# Allegro board parallella_layout.brd (continued)
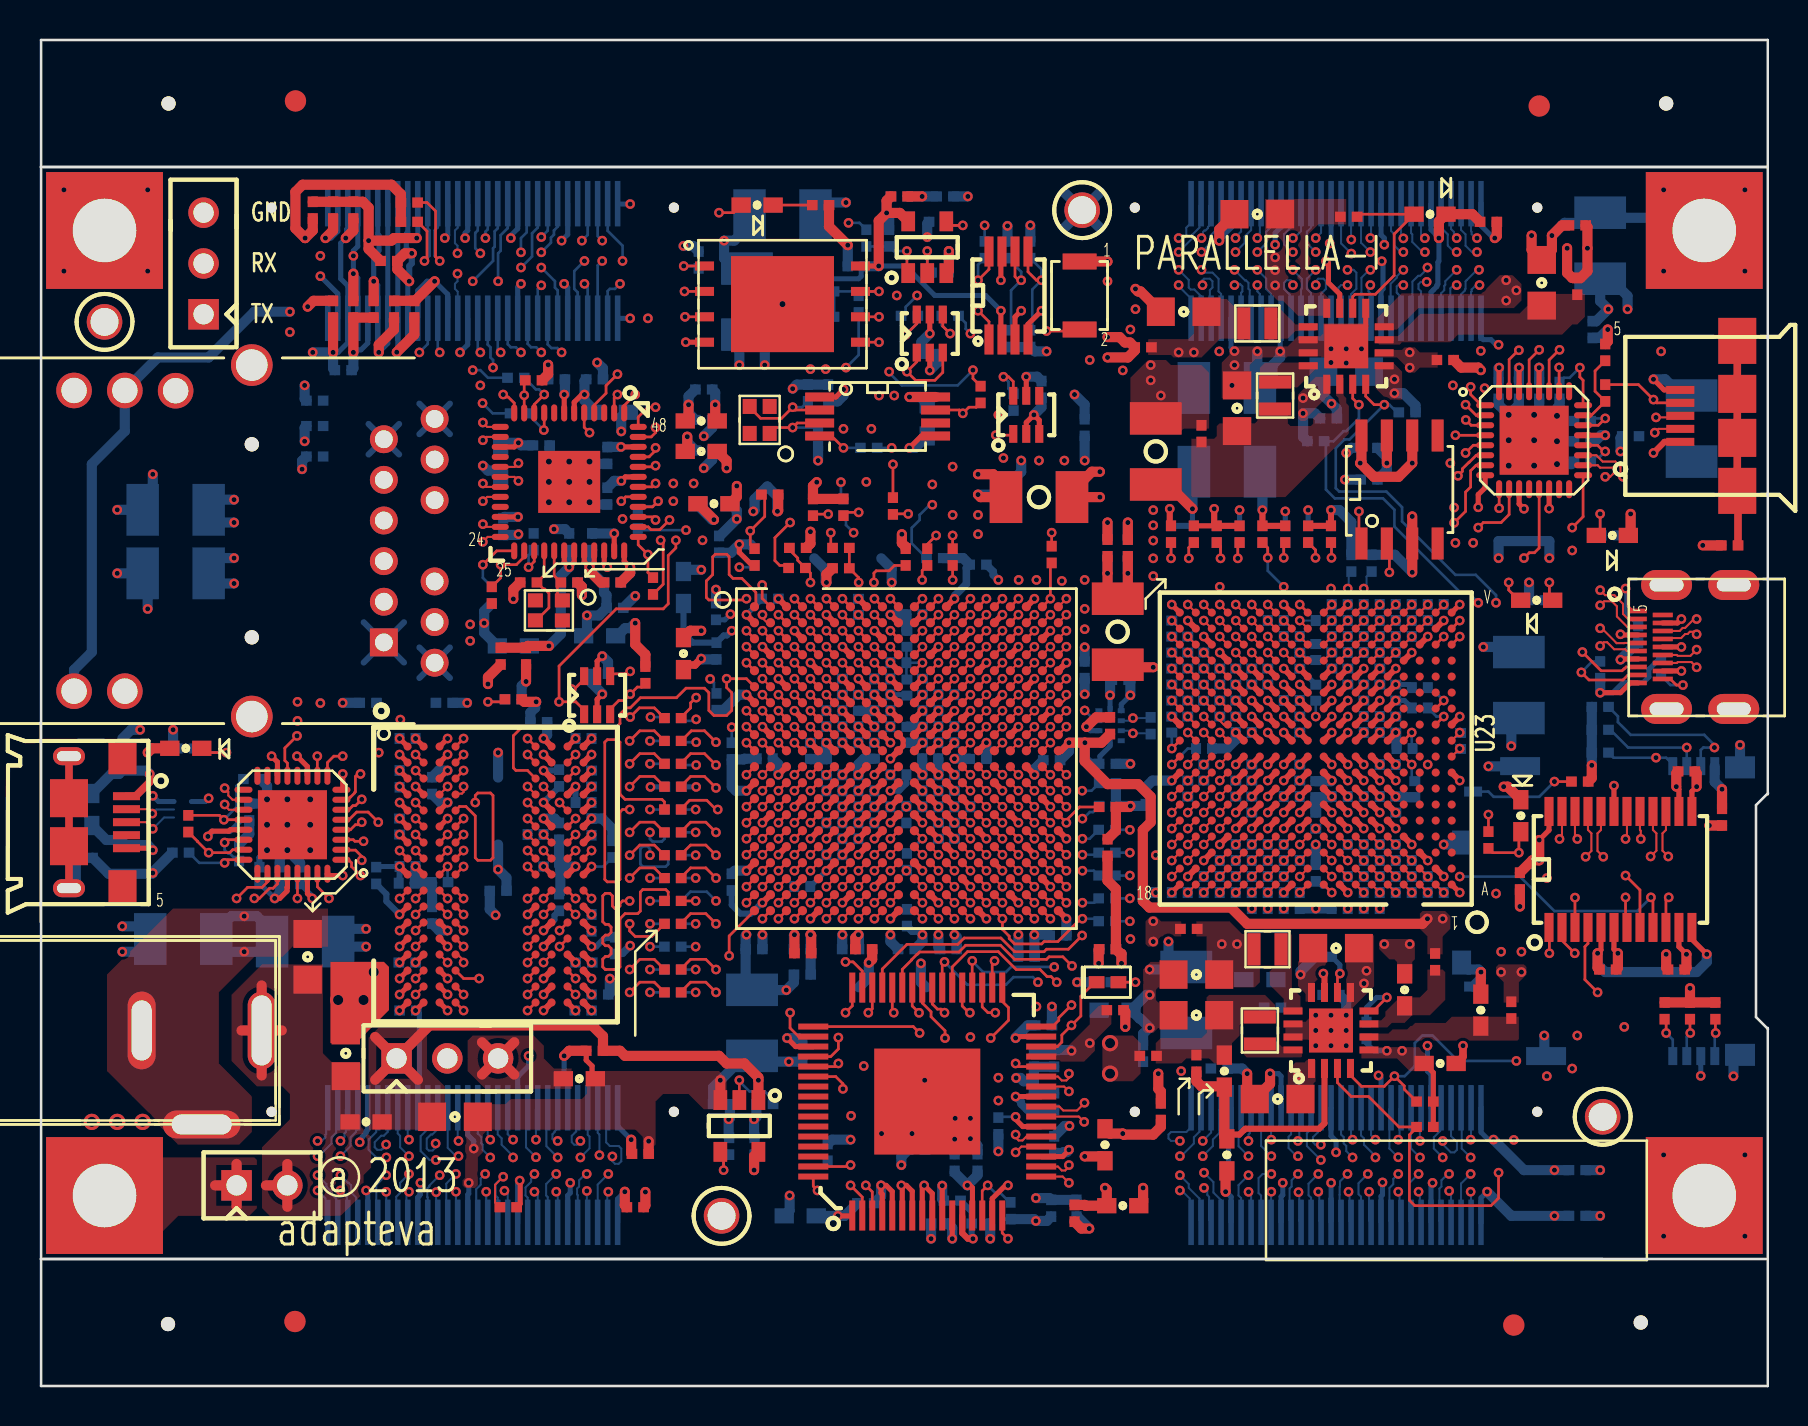
[diagram p0: board, top side]
## Routing (per net, layer and track width the routed paths; a pad name or vN(x,y) marks a point on that pad's centre or on a via; arc(x,y) is an arc through that point) (continued)
TXI_NO_WR_WAIT_N: length 22.6
  TOP w0.102: U23.C10 v1(63.01,26.28)
  L5_SIG w0.095: v1(64.06,12.07) 64.06,11.81 63.93,11.68 63.73,11.68 63.61,11.8 63.61,13.24 63.94,13.57 63.94,14.66 63.61,14.99 63.61,15.97 63.32,16.26 63.32,17.12 62.96,17.48 62.07,17.48 61.9,17.65 61.9,17.93 62.03,18.05 63.05,18.05 63.32,18.33 63.32,19.08 63.78,19.53 63.78,21.21 63.42,21.57 63.42,24.07 63.73,24.38 63.73,25.78 63.42,26.1 63.42,26.56 63.29,26.69 63.07,26.69 62.94,26.56 62.94,26.34 v1(63.01,26.28)
  BOTTOM w0.102: J8.34 64.07,12.96 63.92,12.8 63.92,12.69 63.67,12.44 63.67,12.19 63.79,12.07 v1(64.06,12.07)
TXI_NO_WR_WAIT_P: length 23.1
  TOP w0.102: U23.C11 v1(62.21,26.28)
  L5_SIG w0.095: v1(62.21,26.28) 62.6,25.89 63.19,25.89 63.43,25.65 63.43,24.51 63.11,24.2 63.11,21.45 63.48,21.08 63.48,19.66 63.02,19.2 63.02,18.45 62.92,18.36 61.9,18.36 61.6,18.05 61.6,17.53 61.95,17.18 62.84,17.18 63.02,16.99 63.02,16.13 63.31,15.84 63.31,14.86 63.64,14.53 63.64,13.7 63.31,13.37 63.31,11.67 63.68,11.3 v1(64.06,11.3)
  BOTTOM w0.102: J8.36 63.57,12.85 63.36,12.64 63.36,12 v1(64.06,11.3)
TXI_SO_RD_WAIT_N: length 24
  TOP w0.102: U23.U12 v1(61.41,38.28)
  L3_SIG w0.095: v1(62.66,57.4) 62.22,56.96 62.22,56.44 62.41,56.25 62.93,56.25 63.06,56.12 63.06,54.1 62.42,53.46 62.42,52.67 62.64,52.45 62.64,50.16 62.3,49.82 62.3,47.43 62.57,47.15 62.62,47.15 62.71,47.06 62.71,46.68 62.62,46.58 62.57,46.58 62.3,46.31 62.3,44.62 62.67,44.24 62.67,43.04 62.14,42.5 62.14,41.96 61.8,41.62 61.8,38.67 v1(61.41,38.28)
  BOTTOM w0.102: J9.38 63.07,57.75 62.73,57.4 v1(62.66,57.4)
TXI_SO_RD_WAIT_P: length 24.2
  TOP w0.102: U23.U11 62.61,37.9 62.23,38.28 v1(62.21,38.28)
  L3_SIG w0.095: v1(62.21,38.28) 62.21,38.4 62.6,38.8 62.6,41.68 62.45,41.83 62.45,42.38 62.98,42.91 62.98,44.36 62.6,44.74 62.6,46.18 62.7,46.28 62.75,46.28 63.02,46.55 63.02,47.18 62.75,47.46 62.7,47.46 62.6,47.55 62.6,49.7 62.94,50.04 62.94,52.58 62.72,52.8 62.72,53.34 63.36,53.98 63.36,56.77 63.24,56.9 62.79,56.9 62.66,56.77 v1(62.66,56.71)
  BOTTOM w0.102: v1(62.66,56.71) 62.6,56.71 62.22,57.09 62.22,57.59 62.54,57.91 62.54,59.09 J9.40
TXI_SO_WR_WAIT_N: length 25.4
  TOP w0.102: U23.T11 v1(62.21,37.48)
  L8_SIG w0.095: v1(62.21,37.48) 62.6,37.87 62.6,39.37 62.93,39.7 62.93,41.64 63.81,42.52 63.81,43.63 63.82,43.64 63.82,43.96 63.81,43.97 63.81,46.36 63.71,46.45 62.94,46.45 62.66,46.72 62.66,47.36 62.94,47.63 63.71,47.63 63.81,47.73 63.81,53.34 63.11,54.04 63.11,56.71 v1(63.81,57.4)
  BOTTOM w0.102: v1(63.81,57.4) 64.07,57.67 J9.34
TXI_SO_WR_WAIT_P: length 25.7
  TOP w0.102: U23.T10 v1(63.01,37.48)
  L8_SIG w0.095: v1(63.81,56.71) 63.62,56.71 63.41,56.5 63.41,54.16 64.11,53.47 64.11,47.6 63.84,47.33 63.06,47.33 62.97,47.23 62.97,46.85 63.06,46.76 63.84,46.76 64.11,46.48 64.11,44.1 64.12,44.09 64.12,43.51 64.11,43.5 64.11,42.39 63.24,41.52 63.24,39.56 63.43,39.37 63.43,37.6 63.3,37.48 v1(63.01,37.48)
  BOTTOM w0.102: v1(63.81,56.71) 63.36,57.15 63.36,57.72 63.57,57.93 J9.36
TXO_EA_DATA0_N: length 12.8
  TOP w0.102: U23.G15 v1(59.01,29.48) ; U2.J19 v1(50.54,32.97)
  L8_SIG w0.095: v1(59.01,29.48) 58.6,29.89 58.6,30.44 58.51,30.53 58.37,30.67 56.46,30.67 56.22,30.91 56.22,31.28 56.01,31.49 55.65,31.85 53.11,31.85 53.01,31.75 50.35,31.75 50.13,31.97 50.13,32.56 v1(50.54,32.97)
TXO_EA_DATA0_P: length 12.7
  TOP w0.102: U2.K19 v1(50.54,32.17) ; U23.H15 v1(59.01,30.28)
  L8_SIG w0.095: v1(59.01,30.28) 59.01,30.03 59.15,29.89 59.33,29.89 59.42,29.97 59.42,31.22 59.15,31.49 56.44,31.49 55.78,32.15 52.99,32.15 52.56,32.58 50.94,32.58 v1(50.54,32.17)
TXO_EA_DATA1_N: length 14.9
  TOP w0.102: U23.F16 v1(58.21,28.68) ; U2.L15 v1(47.34,30.57)
  L8_SIG w0.095: v1(58.21,28.68) 58.21,28.43 58.07,28.29 56.44,28.29 56.22,28.51 56.22,28.8 55.74,29.27 55.74,29.58 54.97,30.35 54.28,30.35 53.65,30.99 48.19,30.99 47.93,31.24 47.12,31.24 47.04,31.17 47.04,30.86 v1(47.34,30.57)
TXO_EA_DATA1_P: length 14.9
  TOP w0.102: U23.G16 v1(58.21,29.48) ; U2.L14 v1(46.54,30.57)
  L8_SIG w0.095: v1(46.54,30.57) 46.74,30.77 46.74,31.29 46.99,31.55 48.06,31.55 48.31,31.29 53.77,31.29 54.41,30.66 55.09,30.66 56.05,29.7 56.05,29.4 56.36,29.09 57.82,29.09 v1(58.21,29.48)
TXO_EA_DATA2_N: length 12
  TOP w0.102: U23.E17 v1(57.41,27.88) ; U2.L17 v1(48.94,30.57)
  L5_SIG w0.095: v1(48.94,30.57) 49.36,30.99 53.06,30.99 53.84,30.21 53.84,30.03 54.36,29.51 54.97,29.51 55.9,28.58 56.09,28.58 56.41,28.27 57.67,28.27 57.79,28.15 57.79,27.99 57.67,27.88 v1(57.41,27.88)
TXO_EA_DATA2_P: length 12
  TOP w0.102: U2.L16 v1(48.14,30.57) ; U23.F17 v1(57.41,28.68)
  L5_SIG w0.095: v1(57.41,28.68) 57.02,29.07 56.41,29.07 56.23,28.88 56.03,28.88 55.09,29.82 54.49,29.82 54.15,30.16 54.15,30.34 53.19,31.29 48.86,31.29 v1(48.14,30.57)
TXO_EA_DATA3_N: length 12.9
  TOP w0.102: U23.D18 v1(56.61,27.08) ; U2.M15 v1(47.34,29.77)
  L3_SIG w0.095: v1(56.61,27.08) 56.87,27.08 57,27.2 57,27.36 56.87,27.49 56.44,27.49 56.36,27.57 55.41,27.57 54.74,28.24 54.28,28.24 52.17,30.35 51.73,30.35 51.55,30.18 47.93,30.18 47.62,29.87 47.44,29.87 v1(47.34,29.77)
TXO_EA_DATA3_P: length 13.2
  TOP w0.102: U23.E18 v1(56.61,27.88) ; U2.M14 v1(46.54,29.77)
  L3_SIG w0.095: v1(46.54,29.77) 46.94,30.18 47.5,30.18 47.73,30.41 47.73,30.71 47.97,30.96 51.5,30.96 51.8,30.66 52.3,30.66 54.41,28.55 54.87,28.55 55.54,27.88 v1(56.61,27.88)
TXO_EA_DATA4_N: length 11.5
  TOP w0.102: U23.E15 v1(59.01,27.88) ; U2.L20 v1(51.34,30.57)
  L10_SIG w0.095: v1(59.01,27.88) 59.01,28.12 58.62,28.51 58.62,28.88 58.43,29.07 56.46,29.07 56.31,29.21 56.31,29.22 56.22,29.31 56.22,29.57 55.43,30.36 53.52,30.36 52.73,31.14 51.23,31.14 51.09,31 51.09,30.82 v1(51.34,30.57)
TXO_EA_DATA4_P: length 11.6
  TOP w0.102: U2.L19 v1(50.54,30.57) ; U23.F15 v1(59.01,28.68)
  L10_SIG w0.095: v1(59.01,28.68) 59.01,28.92 58.62,29.31 58.62,29.62 58.37,29.87 56.35,29.87 55.56,30.66 53.64,30.66 52.86,31.45 51.1,31.45 50.78,31.13 50.78,30.82 v1(50.54,30.57)
TXO_EA_DATA5_N: length 10.5
  TOP w0.102: U23.D16 v1(58.21,27.08) ; U2.M20 v1(51.34,29.77)
  L8_SIG w0.095: v1(58.21,27.08) 58.18,27.05 57.93,27.05 57.72,26.83 57.72,26.79 57.61,26.69 56.38,26.69 56.18,26.88 56.18,27.18 55.63,27.74 55.63,28.3 54.98,28.94 54.98,29.21 54.68,29.51 53.9,29.51 53.23,30.18 51.97,30.18 51.65,29.87 51.43,29.87 v1(51.34,29.77)
TXO_EA_DATA5_P: length 11
  TOP w0.102: U2.M19 v1(50.54,29.77) ; U23.E16 v1(58.21,27.88)
  L8_SIG w0.095: v1(50.54,29.77) 50.94,30.17 51.52,30.17 51.84,30.49 53.36,30.49 54.03,29.82 54.8,29.82 55.29,29.34 55.29,29.07 55.93,28.42 55.93,27.86 56.33,27.47 57.57,27.47 v1(58.21,27.88)
TXO_EA_DATA6_N: length 11.9
  TOP w0.102: U23.C17 v1(57.41,26.28) ; U2.M18 v1(49.74,29.77)
  L5_SIG w0.095: v1(49.74,29.77) 49.74,29.55 49.91,29.38 51.66,29.38 51.73,29.45 51.73,29.93 52.03,30.23 52.43,30.23 53.65,29.01 53.65,28.75 54.16,28.24 54.79,28.24 55.25,27.79 55.25,27.36 55.67,26.93 56.15,26.93 56.42,26.67 57.19,26.67 57.41,26.45 v1(57.41,26.28)
TXO_EA_DATA6_P: length 11.9
  TOP w0.102: U23.D17 v1(57.41,27.08) ; U2.M17 v1(48.94,29.77)
  L5_SIG w0.095: v1(57.41,27.08) 57.02,27.47 56.32,27.47 56.1,27.24 55.8,27.24 55.55,27.48 55.55,27.91 54.92,28.55 54.28,28.55 53.95,28.88 53.95,29.13 52.55,30.53 51.9,30.53 51.53,30.16 49.33,30.16 v1(48.94,29.77)
TXO_EA_DATA7_N: length 12.4
  TOP w0.102: U23.B18 v1(56.61,25.48) ; U2.N16 v1(48.14,28.97)
  L3_SIG w0.095: v1(56.61,25.48) 56.36,25.72 56.03,25.72 55.93,25.82 55.14,25.82 55.04,25.92 54.07,25.92 53.24,26.75 53.24,27.89 52.3,28.83 51.87,28.83 51.62,28.58 51.11,28.58 51.09,28.56 48.08,28.56 47.96,28.69 47.96,28.84 48.08,28.97 v1(48.14,28.97)
TXO_EA_DATA7_P: length 12.7
  TOP w0.102: U23.C18 v1(56.61,26.28) ; U2.N15 v1(47.34,28.97)
  L3_SIG w0.095: v1(47.34,28.97) 47.73,29.36 51.64,29.36 51.87,29.13 52.43,29.13 53.55,28.02 53.55,26.87 54.2,26.22 55.17,26.22 55.26,26.13 56.05,26.13 56.15,26.03 56.36,26.03 v1(56.61,26.28)
TXO_EA_FRAME_N: length 11.4
  TOP w0.102: U23.J15 v1(59.01,31.08) ; U2.H20 v1(51.34,33.77)
  L10_SIG w0.095: v1(59.01,31.08) 58.59,31.49 57.55,31.49 56.73,32.31 56.11,32.31 55.68,31.88 54.03,31.88 53.34,32.56 51.19,32.56 50.94,32.81 50.94,33.38 v1(51.34,33.77)
TXO_EA_FRAME_P: length 11.7
  TOP w0.102: U23.K15 v1(59.01,32.68) ; U2.J20 v1(51.34,32.97)
  L10_SIG w0.095: v1(51.34,32.97) 51.49,32.97 51.62,33.1 51.62,33.34 51.73,33.45 52.03,33.45 52.09,33.39 52.63,33.39 52.76,33.26 52.76,32.99 52.89,32.87 53.47,32.87 54.15,32.18 55.55,32.18 55.98,32.61 56.85,32.61 57.67,31.79 59,31.79 59.36,32.16 59.36,32.55 59.24,32.68 v1(59.01,32.68)
TXO_EA_LCLK_N: length 11.2
  TOP w0.102: U2.K18 v1(49.74,32.17) ; U23.F18 v1(56.61,28.68)
  L3_SIG w0.095: v1(56.61,28.68) 56.61,28.88 56.48,29.01 56.31,29.01 56.19,28.88 56.19,28.7 56.06,28.57 55.91,28.57 55.6,28.88 55.6,29.31 54.97,29.95 54.36,29.95 52.63,31.67 49.46,31.67 49.33,31.8 49.33,32.04 49.46,32.17 v1(49.74,32.17)
TXO_EA_LCLK_P: length 12.5
  TOP w0.102: U23.G18 v1(56.61,29.48) ; U2.K17 v1(48.94,32.17)
  L3_SIG w0.095: v1(48.94,32.17) 49.02,32.08 49.02,31.67 49.33,31.37 52.5,31.37 54.23,29.64 54.84,29.64 55.3,29.18 55.3,28.75 55.78,28.27 56.75,28.27 57,28.51 57,29.09 v1(56.61,29.48)
TXO_NO_DATA0_N: length 22.7
  TOP w0.102: U23.D11 v1(62.21,27.08)
  L8_SIG w0.095: v1(62.21,27.08) 62.62,26.67 62.62,23.57 62.28,23.24 62.28,22.73 61.65,22.1 61.65,20.85 62.31,20.19 62.31,18.92 61.65,18.26 61.65,16.84 62.28,16.2 62.28,14.61 62.03,14.35 61.57,14.35 61.44,14.22 61.44,13.72 62.44,12.72 62.44,10.43 62.55,10.32 62.55,10 62.26,9.72 v1(61.58,9.72)
  BOTTOM w0.102: J8.43 61.57,9.7 v1(61.58,9.72)
TXO_NO_DATA0_P: length 22.8
  TOP w0.102: U23.D12 v1(61.41,27.08)
  L8_SIG w0.095: v1(61.58,10.6) 62,10.6 62.13,10.73 62.13,12.6 61.14,13.59 61.14,14.35 61.44,14.66 61.9,14.66 61.98,14.73 61.98,16.08 61.34,16.71 61.34,18.39 62,19.05 62,20.07 61.34,20.73 61.34,22.22 61.98,22.86 61.98,23.17 61.81,23.33 61.81,26.67 v1(61.41,27.08)
  BOTTOM w0.102: v1(61.58,10.6) 61.15,10.6 60.95,10.4 60.95,9.65 61.07,9.52 J8.45
TXO_NO_DATA1_N: length 22.7
  TOP w0.102: U23.C12 v1(61.41,26.28)
  L8_SIG w0.095: v1(61.41,26.28) 61.41,26.54 61.28,26.67 61.14,26.67 61,26.53 61,24.91 61.01,24.89 61.01,23.67 60.71,23.37 60.71,21.77 60.3,21.36 58.98,21.36 58.85,21.23 58.85,19.66 58.98,19.53 60.35,19.53 60.66,19.23 60.66,18.69 60.35,18.39 59.82,18.39 59.69,18.26 59.69,17.66 59.94,17.41 59.94,14.93 60.26,14.6 60.26,13.47 61.14,12.6 61.14,12.09 61.29,11.94 61.46,11.94 61.58,12.07 v1(61.58,12.32)
  BOTTOM w0.102: v1(61.58,12.32) 61.57,12.33 J8.44
TXO_NO_DATA1_P: length 23.1
  TOP w0.102: U23.C13 v1(60.61,26.28)
  L8_SIG w0.095: v1(60.61,26.28) 60.22,25.89 60.22,23.68 60.4,23.5 60.4,21.89 60.17,21.67 58.85,21.67 58.55,21.36 58.55,19.53 58.85,19.23 60.23,19.23 60.35,19.1 60.35,18.82 60.23,18.69 59.69,18.69 59.39,18.39 59.39,17.53 59.63,17.29 59.63,14.8 59.96,14.48 59.96,13.35 60.84,12.47 60.84,11.96 61.17,11.63 61.24,11.63 61.38,11.49 v1(61.58,11.49)
  BOTTOM w0.102: v1(61.58,11.49) 61.07,12.01 J8.46
TXO_NO_DATA2_N: length 23.1
  TOP w0.102: U23.B13 v1(60.61,25.48)
  L5_SIG w0.095: v1(60.45,9.71) 61.19,10.46 61.19,12.65 60.89,12.95 59.62,12.95 59.46,13.11 59.46,15.8 59.62,15.95 59.87,15.95 60.17,16.26 60.17,18.74 59.87,19.05 59.24,19.05 58.65,19.63 58.65,20.83 58.9,21.08 60.38,21.08 60.78,21.48 60.78,23.37 61,23.59 61,25.09 v1(60.61,25.48)
  BOTTOM w0.102: v1(60.45,9.71) 60.57,9.58 J8.47
TXO_NO_DATA2_P: length 23.5
  TOP w0.102: U23.B14 v1(59.81,25.48)
  L5_SIG w0.095: v1(59.81,25.48) 59.81,25.46 60.2,25.07 60.2,23.64 60.47,23.37 60.47,21.61 60.25,21.39 58.78,21.39 58.35,20.95 58.35,19.51 59.11,18.75 59.74,18.75 59.87,18.62 59.87,16.38 59.74,16.26 59.49,16.26 59.16,15.93 59.16,12.98 59.49,12.65 60.76,12.65 60.89,12.52 60.89,10.82 60.53,10.46 60.41,10.46 60.41,10.51 60.44,10.54 v1(60.44,10.54)
  BOTTOM w0.102: J8.49 60.07,9.4 59.95,9.53 59.95,10.05 v1(60.44,10.54)
TXO_NO_DATA3_N: length 23.3
  TOP w0.102: U23.A14 v1(59.81,24.68)
  L3_SIG w0.095: v1(60.44,12.26) 60.44,12.07 60.31,11.94 60.12,11.94 60,12.07 60,13.06 59.72,13.34 58.75,13.34 58.65,13.43 58.65,13.81 58.75,13.91 59.72,13.91 60,14.18 60,14.99 59.92,15.06 59.92,16.64 60.63,17.35 60.63,18.16 60.33,18.47 58.73,18.47 58.6,18.59 58.6,20.22 58.7,20.32 59.09,20.32 59.09,20.32 59.49,20.32 59.74,20.57 59.74,21.21 59.45,21.5 58.7,21.5 58.6,21.6 58.6,22.3 59.31,23.01 59.31,24.43 59.4,24.51 59.4,25.05 59.49,25.15 59.56,25.15 59.81,24.9 v1(59.81,24.68)
  BOTTOM w0.102: v1(60.44,12.26) 60.44,12.57 60.51,12.64 60.51,13.85 J8.48
TXO_NO_DATA3_P: length 23.5
  TOP w0.102: U23.A15 v1(59.01,24.68)
  L3_SIG w0.095: v1(59.01,24.68) 59.01,23.14 58.3,22.43 58.3,21.47 58.57,21.2 59.33,21.2 59.44,21.08 59.44,20.7 59.36,20.62 58.77,20.62 58.57,20.62 58.3,20.35 58.3,18.47 58.6,18.16 60.2,18.16 60.33,18.03 60.33,17.47 59.62,16.76 59.62,14.94 59.69,14.86 59.69,14.31 59.6,14.21 58.62,14.21 58.35,13.94 58.35,13.31 58.62,13.03 59.6,13.03 59.69,12.94 59.69,11.87 60.07,11.49 v1(60.44,11.49)
  BOTTOM w0.102: J8.50 60.07,12.65 59.95,12.52 59.95,11.99 v1(60.44,11.49)
TXO_NO_DATA4_N: length 24.2
  TOP w0.102: U23.D13 v1(60.61,27.08)
  L8_SIG w0.095: v1(60.61,27.08) 60.2,26.67 58.83,26.67 58.6,26.44 58.6,26.11 58.35,25.87 58.04,25.87 57.8,25.62 57.8,24.51 57.48,24.2 57.48,22.5 57.14,22.16 57.14,21.72 57.08,21.66 57.08,18.67 56.25,17.84 56.25,16.7 56.69,16.27 56.69,13.57 57.71,12.55 57.71,10.46 57.84,10.34 58.09,10.34 58.22,10.46 v1(58.22,10.67)
  BOTTOM w0.102: v1(58.22,10.67) 58.69,10.2 58.69,9.68 59.07,9.29 J8.53
TXO_NO_DATA4_P: length 24
  TOP w0.102: U23.D14 v1(59.81,27.08)
  L8_SIG w0.095: v1(58.22,9.91) 58.09,10.03 57.71,10.03 57.41,10.34 57.41,12.42 56.38,13.45 56.38,16.14 55.94,16.58 55.94,17.97 56.77,18.8 56.77,21.78 56.83,21.84 56.83,22.39 57.18,22.73 57.18,24.26 57,24.44 57,25.62 57.26,25.89 57.57,25.89 57.82,26.13 57.82,26.44 58.04,26.67 58.37,26.67 58.62,26.91 58.62,27.24 58.84,27.47 59.17,27.47 59.56,27.08 v1(59.81,27.08)
  BOTTOM w0.102: v1(58.22,9.91) 58.38,9.74 58.38,9.55 58.47,9.46 58.47,8.28 J8.55
TXO_NO_DATA5_N: length 24.3
  TOP w0.102: U23.C14 v1(59.81,26.28)
  L8_SIG w0.095: v1(59.81,26.28) 59.81,26.05 59.42,25.66 59.42,22.91 58.98,22.48 58.47,22.48 57.89,21.9 57.89,17.79 57.62,17.51 57.15,17.51 57.05,17.42 57.05,17.04 57.15,16.94 58.77,16.94 59.11,16.6 59.11,15.75 58.85,15.49 58.02,15.49 57.89,15.37 57.89,15.04 58.02,14.91 58.93,14.91 59.24,14.61 59.24,14.1 58.98,13.84 58.88,13.84 58.72,13.68 58.72,12.06 v1(58.16,11.49)
  BOTTOM w0.102: v1(58.16,11.49) 58.66,12 58.66,12.33 58.98,12.65 58.98,13.82 J8.54
TXO_NO_DATA5_P: length 23.8
  TOP w0.102: U23.C15 v1(59.01,26.28)
  L8_SIG w0.095: v1(58.16,12.26) 58.07,12.34 58.07,12.88 58.17,12.98 58.3,12.98 58.41,13.1 58.41,13.81 58.75,14.15 58.85,14.15 58.93,14.22 58.93,14.48 58.8,14.6 57.89,14.6 57.58,14.91 57.58,15.49 57.89,15.8 58.73,15.8 58.8,15.87 58.8,16.48 58.64,16.64 57.02,16.64 56.75,16.91 56.75,17.54 57.02,17.82 57.49,17.82 57.58,17.91 57.58,22.02 58.35,22.78 58.85,22.78 59.11,23.04 59.11,24.12 59.01,24.22 58.74,24.22 58.62,24.34 58.62,25.78 58.72,25.88 59.19,25.88 59.38,26.07 59.38,26.24 59.26,26.36 59.09,26.36 v1(59.01,26.28)
  BOTTOM w0.102: v1(58.16,12.26) 58.57,12.67 J8.56
TXO_NO_DATA6_N: length 23.7
  TOP w0.102: U23.B15 v1(59.01,25.48)
  L5_SIG w0.095: v1(59.01,25.48) 59.4,25.09 59.4,24.46 59.13,24.19 59.13,23.52 57.76,22.15 57.76,19.43 57.46,19.13 56.95,19.13 56.87,19.05 56.87,18.67 56.95,18.59 57.46,18.59 57.97,18.08 57.97,16.89 57.53,16.46 56.82,16.46 56.63,16.27 56.63,14.85 56.95,14.53 57.46,14.53 57.76,14.22 57.76,13.77 56.36,12.37 56.36,10.57 56.58,10.35 56.82,10.35 v1(57.01,10.54)
  BOTTOM w0.102: J8.57 57.99,8.27 57.99,9.37 57.46,9.91 57.46,10.1 v1(57.01,10.54)
TXO_NO_DATA6_P: length 23.3
  TOP w0.102: U23.B16 v1(58.21,25.48)
  L5_SIG w0.095: v1(57.01,9.78) 57.01,9.84 56.81,10.05 56.45,10.05 56.06,10.44 56.06,12.5 57.46,13.89 57.46,14.1 57.33,14.22 56.82,14.22 56.32,14.72 56.32,16.39 56.7,16.76 57.41,16.76 57.66,17.02 57.66,17.96 57.33,18.29 56.82,18.29 56.57,18.54 56.57,19.18 56.82,19.43 57.33,19.43 57.46,19.56 57.46,22.28 58.83,23.65 58.83,24.19 58.6,24.43 58.6,25.09 v1(58.21,25.48)
  BOTTOM w0.102: v1(57.01,9.78) 57.1,9.78 57.15,9.73 57.51,9.37 57.51,8.25 J8.59
TXO_NO_DATA7_N: length 24
  TOP w0.102: U23.A16 v1(58.21,24.68)
  L3_SIG w0.095: v1(58.21,24.68) 58.21,24.65 57.96,24.4 57.96,23.05 57.76,22.85 57.76,19.53 57.49,19.25 56.59,19.25 56.49,19.16 56.49,18.78 56.59,18.68 57.58,18.68 57.89,18.38 57.89,17.48 57.58,17.18 56.44,17.18 56.31,17.05 56.31,16.76 56.44,16.64 57.58,16.64 58.02,16.21 58.02,14.72 57.71,14.41 56.85,14.41 56.76,14.32 56.76,13.93 56.85,13.84 57.49,13.84 57.76,13.57 57.76,11.99 57.27,11.49 v1(57.01,11.49)
  BOTTOM w0.102: v1(57.01,11.49) 57.08,11.49 57.71,12.13 57.71,12.44 57.99,12.72 57.99,13.83 J8.58
TXO_NO_DATA7_P: length 23.9
  TOP w0.102: U23.A17 v1(57.41,24.68)
  L3_SIG w0.095: v1(57.41,24.68) 57.41,24.66 57.65,24.42 57.65,23.18 57.46,22.98 57.46,19.65 57.36,19.56 56.46,19.56 56.19,19.29 56.19,18.65 56.46,18.38 57.46,18.38 57.58,18.25 57.58,17.61 57.46,17.48 56.31,17.48 56.01,17.18 56.01,16.64 56.31,16.33 57.46,16.33 57.71,16.08 57.71,14.84 57.58,14.72 56.72,14.72 56.45,14.44 56.45,13.81 56.72,13.53 57.36,13.53 57.46,13.44 57.46,12.12 57.28,11.94 57.14,11.94 57.01,12.07 v1(57.01,12.26)
  BOTTOM w0.102: J8.60 57.57,12.94 57.33,12.7 56.57,12.7 56.44,12.57 56.44,12.38 56.57,12.26 v1(57.01,12.26)
TXO_NO_FRAME_N: length 22.3
  TOP w0.102: U23.D9 v1(64.61,27.08)
  L8_SIG w0.095: v1(63.93,9.72) 64.68,9.72 65,10.03 65,11.18 65.21,11.39 65.21,11.94 64.81,12.34 64.81,13.22 64.1,13.93 64.1,16.01 63.27,16.84 63.27,19.1 63.78,19.61 63.78,22.02 63.38,22.43 63.38,23.99 63.42,24.04 63.42,24.04 63.71,24.33 63.71,25.55 64.2,26.04 64.2,26.96 64.32,27.08 v1(64.61,27.08)
  BOTTOM w0.102: J8.33 63.98,8.27 63.98,9.66 v1(63.93,9.72)
TXO_NO_FRAME_P: length 22.4
  TOP w0.102: U23.D10 v1(63.01,27.08)
  L8_SIG w0.095: v1(63.01,27.08) 63.24,27.3 63.3,27.3 63.42,27.19 63.42,25.69 63.4,25.68 63.4,24.45 63.11,24.16 63.11,24.16 63.07,24.12 63.07,23.87 63.07,22.3 63.48,21.9 63.48,19.74 62.97,19.23 62.97,16.71 63.79,15.89 63.79,13.81 64.51,13.09 64.51,11.92 64.43,11.85 64.43,11.44 64.7,11.18 64.7,10.73 64.57,10.6 v1(63.93,10.6)
  BOTTOM w0.102: J8.35 63.57,9.41 63.45,9.54 63.45,10.12 v1(63.93,10.6)
TXO_NO_LCLK_N: length 22.9
  TOP w0.102: U23.A12 v1(61.41,24.68)
  L3_SIG w0.095: v1(62.94,9.69) 63.51,10.26 63.51,10.77 63.61,10.87 63.61,12.74 62.41,13.94 62.41,16.89 61.65,17.66 61.65,19.1 61.39,19.35 61.14,19.35 60.89,19.61 60.89,20.83 61.14,21.08 62.92,21.08 63.3,21.46 63.3,22.02 62.92,22.4 61.39,22.4 60.89,22.91 60.89,23.37 61.02,23.5 61.02,24.51 61.18,24.68 v1(61.41,24.68)
  BOTTOM w0.102: v1(62.94,9.69) 62.94,9.69 62.98,9.65 62.98,8.28 J8.37
TXO_NO_LCLK_P: length 22.9
  TOP w0.102: U23.A13 v1(60.61,24.68)
  L3_SIG w0.095: v1(60.61,24.68) 60.22,24.29 60.22,23.66 60.58,23.29 60.58,22.78 61.27,22.1 62.79,22.1 62.99,21.89 62.99,21.59 62.79,21.39 61.01,21.39 60.58,20.95 60.58,19.48 61.01,19.05 61.27,19.05 61.34,18.98 61.34,17.53 62.11,16.76 62.11,13.82 63.31,12.61 63.31,11 v1(62.92,10.6)
  BOTTOM w0.102: v1(62.92,10.6) 62.6,10.29 62.6,9.98 62.5,9.88 62.5,8.26 J8.39
TXO_SO_DATA0_N: length 24.1
  TOP w0.102: U23.R12 v1(61.41,36.68)
  L10_SIG w0.095: v1(60.89,55.82) 60.58,55.82 60.13,55.37 60.13,53.71 61.28,52.57 61.28,51.11 61.59,50.79 61.59,42.84 61.28,42.53 61.28,41.9 61.02,41.64 61.02,41.13 61.28,40.87 61.28,39.62 61.02,39.36 61.02,37.07 v1(61.41,36.68)
  BOTTOM w0.102: v1(60.89,55.82) 61.33,55.37 61.33,54.86 61.57,54.62 J9.43
TXO_SO_DATA0_P: length 23.6
  TOP w0.102: U23.R11 v1(62.21,36.68)
  L10_SIG w0.095: v1(60.89,55.05) 60.89,55.24 60.76,55.37 60.57,55.37 60.44,55.24 60.44,53.84 61.58,52.7 61.58,51.23 61.89,50.92 61.89,42.72 61.58,42.41 61.58,41.9 61.8,41.68 61.8,41.22 61.58,41.01 61.58,39.62 61.8,39.41 61.8,36.43 61.93,36.3 62.07,36.3 62.21,36.43 v1(62.21,36.68)
  BOTTOM w0.102: v1(60.89,55.05) 60.89,54.74 61.01,54.61 61.01,53.46 J9.45
TXO_SO_DATA1_N: length 24.4
  TOP w0.102: U23.T13 v1(60.61,37.48)
  L8_SIG w0.095: v1(60.61,37.48) 60.72,37.36 60.89,37.36 61.01,37.49 61.01,39.42 61.22,39.62 61.22,40.95 61.02,41.15 61.02,41.58 61.22,41.78 61.22,42.6 61.59,42.97 61.59,50.66 61.27,50.98 61.27,51.57 61.28,51.58 61.28,51.9 61.27,51.91 61.27,53.21 60.19,54.29 60.19,56.25 60.64,56.71 v1(60.89,56.71)
  BOTTOM w0.102: J9.44 61.52,59.07 61.52,57.91 61.33,57.72 61.33,57.15 v1(60.89,56.71)
TXO_SO_DATA1_P: length 24.4
  TOP w0.102: U23.T12 v1(61.41,37.48)
  L8_SIG w0.095: v1(60.89,57.4) 61.39,56.9 61.39,56.57 61.11,56.29 60.66,56.29 60.5,56.12 60.5,54.42 61.57,53.34 61.57,52.04 61.58,52.03 61.58,51.45 61.57,51.44 61.57,51.1 61.89,50.78 61.89,42.84 61.52,42.47 61.52,41.85 61.82,41.56 61.82,41.1 61.52,40.81 61.52,39.62 61.8,39.35 61.8,37.87 v1(61.41,37.48)
  BOTTOM w0.102: v1(60.89,57.4) 60.89,57.53 61.01,57.66 61.01,59.07 J9.46
TXO_SO_DATA2_N: length 24.6
  TOP w0.102: U23.U14 v1(59.81,38.28)
  L8_SIG w0.095: v1(59.81,38.28) 59.42,38.67 59.42,39.37 59.62,39.57 59.62,41.13 59.62,41.13 59.52,41.23 59.52,41.55 59.82,41.85 59.82,42.4 60.39,42.98 60.39,44.25 60.3,44.35 59.92,44.35 59.64,44.62 59.64,45.26 59.92,45.53 60.3,45.53 60.39,45.62 60.39,46 60.3,46.1 59.92,46.1 59.64,46.37 59.64,47.01 59.92,47.28 60.3,47.28 60.39,47.38 60.39,49.05 60.07,49.37 60.07,50.11 60.39,50.43 60.39,51.05 60.19,51.26 60.19,51.99 59.25,52.93 59.25,55.31 59.55,55.61 59.55,55.63 v1(59.74,55.82)
  BOTTOM w0.102: J9.47 60.51,53.46 60.51,54.81 60.44,54.87 60.44,55.17 60.32,55.29 60.27,55.29 v1(59.74,55.82)
TXO_SO_DATA2_P: length 24.2
  TOP w0.102: U23.U13 v1(60.61,38.28)
  L8_SIG w0.095: v1(59.74,55.05) 59.68,55.05 59.55,54.93 59.55,53.06 60.49,52.12 60.49,51.38 60.7,51.18 60.7,50.3 60.38,49.98 60.38,49.5 60.7,49.18 60.7,47.25 60.42,46.98 60.04,46.98 59.95,46.88 59.95,46.5 60.04,46.41 60.42,46.41 60.7,46.13 60.7,45.5 60.42,45.22 60.04,45.22 59.95,45.13 59.95,44.75 60.04,44.65 60.42,44.65 60.7,44.38 60.7,42.85 60.12,42.28 60.12,41.73 60.3,41.55 60.3,41.2 59.92,40.82 59.92,39.7 60.2,39.42 60.2,38.02 60.32,37.9 60.58,37.9 60.71,38.02 60.71,38.18 v1(60.61,38.28)
  BOTTOM w0.102: v1(59.74,55.05) 59.81,55.12 60.01,55.12 60.14,54.99 60.14,54.73 60.07,54.67 J9.49
TXO_SO_DATA3_N: length 24.6
  TOP w0.102: U23.V15 v1(59.01,39.08)
  L3_SIG w0.095: v1(59.01,39.08) 58.6,39.48 58.6,41.58 58.92,41.9 58.92,43.23 59.17,43.48 59.17,48.96 60.19,49.97 60.19,53.2 60.09,53.3 59.01,53.3 58.7,53.6 58.7,54.17 59.01,54.48 60.09,54.48 60.19,54.57 60.19,56.58 60.06,56.71 v1(59.79,56.71)
  BOTTOM w0.102: v1(59.79,56.71) 60.25,57.16 60.25,57.48 60.57,57.8 J9.48
TXO_SO_DATA3_P: length 24.5
  TOP w0.102: U23.V14 v1(59.81,39.08)
  L3_SIG w0.095: v1(59.79,57.4) 60.12,57.4 60.25,57.27 60.25,56.94 60.49,56.7 60.49,54.45 60.22,54.17 59.13,54.17 59.01,54.05 59.01,53.73 59.13,53.6 60.22,53.6 60.49,53.33 60.49,49.85 59.48,48.83 59.48,43.36 59.22,43.1 59.22,41.9 59.44,41.68 59.44,41.23 59.42,41.21 59.42,39.47 v1(59.81,39.08)
  BOTTOM w0.102: v1(59.79,57.4) 59.95,57.56 59.95,57.61 60.07,57.73 J9.50
TXO_SO_DATA4_N: length 24.7
  TOP w0.102: U23.R14 v1(59.81,36.68)
  L10_SIG w0.095: v1(59.81,36.68) 59.42,37.07 59.42,39.37 59.69,39.65 59.69,41.05 59.52,41.23 59.52,41.55 59.69,41.73 59.69,42.47 59.18,42.98 59.18,49.2 58.29,50.1 58.29,53.4 57.34,54.35 57.34,55.37 57.65,55.68 57.95,55.68 v1(58.09,55.82)
  BOTTOM w0.102: J9.53 59.07,54.61 58.95,54.74 58.95,55.37 58.64,55.68 58.23,55.68 v1(58.09,55.82)
TXO_SO_DATA4_P: length 24.7
  TOP w0.102: U23.R13 v1(60.61,36.68)
  L10_SIG w0.095: v1(60.61,36.68) 60.61,36.57 60.49,36.45 60.32,36.45 60.2,36.57 60.2,39.37 60,39.57 60,40.93 60.3,41.23 60.3,41.55 60,41.85 60,42.6 59.49,43.1 59.49,49.33 58.59,50.22 58.59,53.53 57.64,54.47 57.64,55.24 57.77,55.37 57.97,55.37 58.14,55.19 v1(58.14,55.05)
  BOTTOM w0.102: J9.55 58.51,53.46 58.51,54.8 58.64,54.93 58.64,55.24 58.51,55.37 58.22,55.37 58.14,55.3 v1(58.14,55.05)
TXO_SO_DATA5_N: length 24
  TOP w0.102: U23.T15 v1(59.01,37.48)
  L8_SIG w0.095: v1(59.01,37.48) 58.9,37.58 58.72,37.58 58.57,37.74 58.4,37.9 58.39,37.89 58.04,37.89 57.82,38.12 57.82,39.65 57.85,39.68 57.85,42.4 58.03,42.59 58.03,49.08 58.29,49.33 58.29,54.52 58.54,54.77 58.54,55.37 58.54,56.31 58.23,56.62 58.18,56.62 v1(58.09,56.71)
  BOTTOM w0.102: J9.54 59.07,58.06 58.54,57.52 58.54,57.15 v1(58.09,56.71)
TXO_SO_DATA5_P: length 24.1
  TOP w0.102: U23.T14 v1(59.81,37.48)
  L8_SIG w0.095: v1(58.09,57.4) 58.14,57.4 58.48,57.06 58.48,56.8 58.84,56.44 58.84,55.25 58.84,54.65 58.59,54.4 58.59,49.2 58.34,48.95 58.34,42.46 58.15,42.28 58.15,39.8 58.6,39.36 58.6,38.13 58.84,37.89 59.4,37.89 v1(59.81,37.48)
  BOTTOM w0.102: v1(58.09,57.4) 58.17,57.48 58.17,57.71 58.24,57.79 58.3,57.79 58.42,57.9 58.42,57.96 58.47,58.02 58.47,59.03 J9.56
TXO_SO_DATA6_N: length 25.2
  TOP w0.102: U23.U16 v1(58.21,38.28)
  L3_SIG w0.095: v1(56.95,55.82) 56.76,56.01 56.19,56.01 55.88,55.7 55.88,54.79 56.06,54.61 56.06,51.18 56.45,50.79 56.45,44.59 56.95,44.1 56.95,43.21 56.38,42.65 56.38,41.9 56.12,41.64 56.12,38.98 56.41,38.69 56.75,38.69 57,38.44 57,38.13 57.24,37.89 57.83,37.89 58.21,38.27 v1(58.21,38.28)